# Altium PCB Gatorsynth_Sequencer.PcbDoc (part 2 of 2)
Units mm, origin at the board's own origin, x right, y up, seen from the top; angles counter-clockwise.
Board outline 320 x 113.4 mm, 2 copper layers (Top Layer, Bottom Layer); 109 components, 280 nets, 485 pads, 478 vias.
Unrouted connection lines stored in the file: 2.
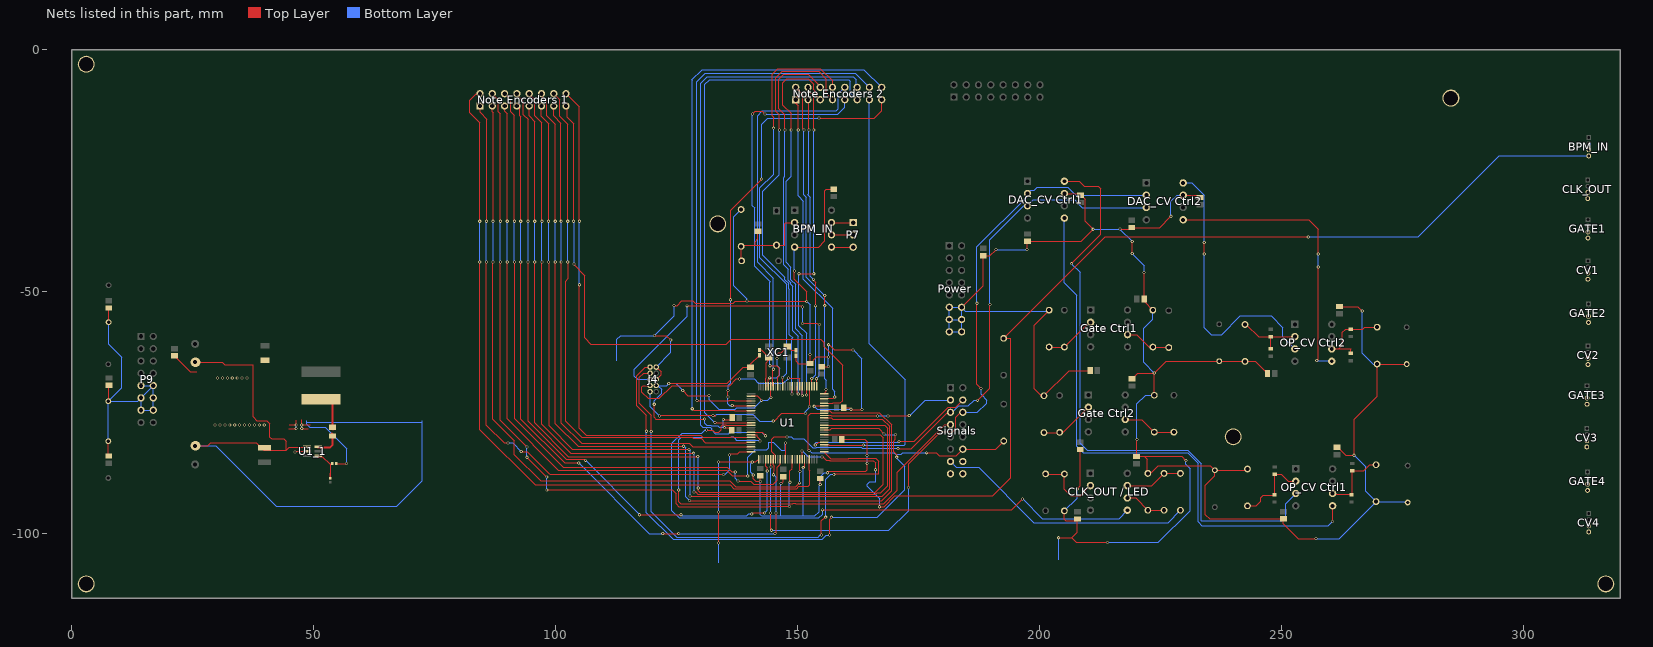
[diagram p2: the nets of this part, all layers, seen from the top]

## Via types
v1: diameter 0.64, hole 0.381, Top Layer to Bottom Layer, 474 vias
v2: diameter 2.032/2.032 (per signal layer), hole 0.381, Top Layer to Bottom Layer, 4 vias

## Nets (pads, with @x,y where several pads share a name; then routed paths per layer and width w, separated by ;. In a path a pad name is that pad's centre, name@x,y a point inside that pad or via, vN(x,y) a via of type N, cw(c..) or ccw(c..) an arc to the next point about the centre after c; other vN are vias at no path point) (continued)
GND: "DAC_CV Ctrl1.7" "DAC_CV Ctrl2.7" BPM_IN.3@313.475,-20.69 BPM_IN.4@149.384,-40.792 C1.1@197.5,-39.6 C1.1@208.425,-82.625 C1.1@210.45,-66.3 C1.1@219.05,-36.75 C1.2@157.475,-28.85 C1_PWR.1 C2.1@207.825,-96.975 C2.2@208.45,-30.075 C2.2@219.075,-68 C2.2@221.6,-51.5 C2.2@233.125,-30.55 C2_PWR.1 C3.2 C3_PWR.1 C4.1@142.15,-63.15 C4.2@261.45,-82.175 C4.2@261.95,-53.075 C5.1 C6.1 C7.1 C7_PWR.1 C8.1 C8_PWR.1 C9.1 C10.1 C11.1 C12.1 C13.1 C14.1 C24.2 C25.2 C_5V.2 C_12V.2 C_-12V.1 Cin.2 CLK_OUT.3 CLK_OUT.4 Cout.2 CV1.3 CV1.4 CV2.3 CV2.4 CV3.3 CV3.4 CV4.3 CV4.4 GATE1.3 GATE1.4 GATE2.3 GATE2.4 GATE3.3 GATE3.4 GATE4.3 GATE4.4 GND1.1 GND.1 J4.3 J4.5 J4.9 P9.9 P9.10 P9.11 P9.12 P9.13 P9.14 pad.2 pad.3 pad.4 pad.5 pad.8 Power.11 Power.12 Power.13 Power.14 Power.15 Power.16 R13.2 R16.2 R20.1 R22.2 R24.1 R28.1 R30.1 Rfbb.2 U1.2 U1.26 U1.45 U1.70 U1.95 U1_1.1 | length 1051.7
  Top Layer w0.254: C_-12V.1@7.575,-80.89 7.575,-83.85 C3_PWR.1@7.675,-83.95 ; C_5V.2@7.625,-56.31 7.675,-56.26 C1_PWR.1@7.675,-53.375 ; C8_PWR.1@7.7,-69.35 7.7,-72.51 C_12V.2@7.575,-72.635 C_12V.2@8.065,-72.635 ; C7_PWR.1@21.225,-63.275 24.525,-66.575 25.85,-66.575 ; v2(25.562,-81.842) 28.102,-81.842 28.737,-81.207 38.135,-81.207 39.684,-82.782 44.358,-82.782 ; v2(25.562,-64.57) 31.15,-64.57 31.607,-65.053 37.5,-65.053 37.5,-75.873 38.262,-76.635 40.294,-76.635 40.929,-77.27 40.929,-80.064 41.31,-80.445 43.85,-80.445 44.358,-80.953 44.358,-82.782 ; U1_1.1@48.524,-82.172 44.968,-82.172 44.358,-82.782 ; Rfbb.2@54.62,-85.55 55.813,-85.55 ; Rfbb.2@54.645,-85.525 v1(56.804,-85.525) ; v1(120.375,-73.275) 120.375,-75.975 120.723,-76.323 126.423,-76.323 126.425,-76.325 v1(130.8,-76.325) ; v1(120.425,-59.075) 122.9,-59.075 v1(123.8,-59.975) ; J4.3@120.785,-69.395 J4.5@120.785,-68.125 121.775,-67.135 121.775,-66.575 J4.9@120.785,-65.585 ; v1(123.375,-68.975) 135.475,-68.975 138.8,-65.65 C9.1@140.25,-65.65 140.25,-65.05 C4.1@142.15,-63.15 ; v1(124.475,-52.875) 125.125,-52.875 126.075,-51.925 128.375,-51.925 128.85,-52.4 136.675,-52.4 137.075,-52 v1(151.875,-52) 151.875,-49.975 149.325,-47.425 v1(149.325,-45.725) ; v1(126.275,-70.4) 127.35,-71.475 v1(131.725,-71.475) ; v1(133.675,-101.95) v1(133.675,-95.55) ; v1(133.675,-85.175) v1(140.625,-85.175) 141.375,-85.175 141.925,-84.625 U1.26@141.925,-84.6 ; v1(134.65,-76.425) 136.075,-76.425 C10.1@136.475,-76.025 ; v1(134.874,-78.105) 135.655,-78.105 C11.1@136.4,-78.85 ; U1.2@140.375,-71.55 141.65,-71.55 v1(142.55,-72.45) ; v1(140.825,-87.85) 140.825,-88.675 141.35,-89.2 v1(142.3,-89.2) C6.1@142.3,-88.025 ; U1.95@144.425,-69.5 144.425,-71.756 v1(144.501,-71.831) ; v1(146.55,-89.625) 147.025,-89.275 C14.1@147.025,-88.225 ; BPM_IN.4@149.384,-40.792 154.358,-40.792 155.625,-39.525 155.625,-29.1 155.875,-28.85 C1.2@157.475,-28.85 ; C3.2@149.675,-63.225 149.675,-64.375 150.15,-64.85 C8.1@152.575,-64.85 ; v1(151.175,-86.375) 151.425,-86.125 U1.45@151.425,-84.625 ; v1(152.575,-62.975) C8.1@152.575,-64.85 ; v1(153.425,-73.675) v1@153.454,-73.646 ; v1@153.525,-73.575 U1.70@155.475,-73.575 ; v1(154.675,-89.875) C5.1@154.675,-88.6 ; C12.1@155,-65.5 156.3,-65.5 v1(156.35,-65.45) ; v1(156.175,-87.425) 156.452,-87.148 164.077,-87.148 164.375,-86.85 v1(164.375,-85.525) ; v1(156.35,-63.475) 153.95,-63.475 C8.1@152.575,-64.85 ; v1(156.425,-60.975) 156.5,-60.975 157.575,-62.05 v1(161.45,-62.05) ; C13.1@159.15,-80.525 163.9,-80.525 164.375,-81 164.363,-81.012 v1(164.363,-83.871) ; C7.1@159.55,-73.975 160.675,-73.975 v1(161,-74.3) 161.075,-74.375 v1@163.3,-74.375 ; Power.12@183.89,-53.225 188.375,-48.74 C2_PWR.1@188.375,-42.55 189.75,-42.55 v1(191,-41.3) ; v1(197.375,-41.3) 197.5,-41.175 C1.1@197.5,-39.6 208.575,-39.6 v1(211.075,-37.1) 209.427,-35.452 209.427,-30.91 208.592,-30.075 C2.2@208.45,-30.075 208.095,-29.72 205.125,-29.72 ; R20.1@201.975,-53.828 198.875,-56.928 198.875,-70.05 200.33,-71.505 R20.1@200.904,-71.505 206.109,-66.3 C1.1@210.45,-66.3 ; v1(203.95,-100.85) 206.65,-100.85 ; R28.1@205.125,-95.298 205.125,-97.05 205.375,-97.3 207.5,-97.3 C2.1@207.825,-96.975 207.825,-99.675 206.65,-100.85 ; v1(207.775,-90.75) 208.425,-90.1 C1.1@208.425,-82.625 ; v1(214.025,-101.825) 207.625,-101.825 206.65,-100.85 ; v1(216.6,-37.075) 218.725,-37.075 C1.1@219.05,-36.75 224.825,-36.75 v1(227.15,-34.425) ; C2.2@219.075,-68 220.246,-66.829 v1(223.704,-66.829) ; v1(219.15,-42.15) v1(219.15,-39.625) ; v1(220.125,-80.575) 220.125,-83.975 C3.2@220.05,-84.05 221.675,-84.05 ; v1(221.6,-46.075) C2.2@221.6,-51.5 221.6,-52.028 R22.2@223.4,-53.828 ; R22.2@223.704,-71.405 v1(223.704,-66.829) ; 229.675,-30.07 232.645,-30.07 C2.2@233.125,-30.55 ; v1(230.225,-84.925) 229.35,-84.05 221.675,-84.05 ; R13.2@242.4,-64.36 C24.2@237.125,-64.36 226.173,-64.36 v1(223.704,-66.829) ; R13.2@242.45,-64.41 244.585,-64.41 C3.2@247.1,-66.925 ; R13.2@242.95,-86.64 242.7,-86.89 C24.2@236.225,-86.89 ; v1(257.1,-101.025) 253.425,-101.025 250.375,-97.975 C3.2@250.375,-96.95 235.125,-96.95 234.25,-96.075 234.25,-90.05 236.225,-88.075 C24.2@236.225,-86.89 ; C4.2@261.45,-82.175 261.592,-82.175 263.217,-83.8 v1(264.975,-83.8) 264.975,-76.375 269.75,-71.6 R16.2@269.75,-64.96 C25.2@275.85,-64.96 ; C4.2@261.95,-53.075 265.75,-53.075 v1(266.675,-54) ; C25.2@275.875,-93.385 C25.2@276.05,-93.56 ; BPM_IN.3@313.475,-20.69 BPM_IN.3@313.62,-20.545 ; 221.675,-84.05 222.225,-84.6 222.225,-87.403 R30.1@222.375,-87.553 222.947,-87.553 224.55,-85.95 235.285,-85.95 C24.2@236.225,-86.89
  Bottom Layer w0.254: C_-12V.1@7.575,-80.89 C_12V.2@7.575,-72.635 ; C_5V.2@7.625,-56.31 7.625,-60.85 10.35,-63.575 10.35,-69.86 C_12V.2@7.575,-72.635 ; P9.9@14.325,-69.8 P9.9@14.715,-69.41 ; P9.9@14.325,-69.41 P9.9@14.715,-69.41 ; v2(25.562,-81.842) 29.778,-81.842 42.275,-94.339 67.167,-94.339 72.425,-89.081 72.425,-77.016 ; 48.549,-76.686 48.549,-77.016 ; v1(56.804,-85.525) 56.804,-82.477 52.359,-78.032 49.184,-78.032 48.549,-77.397 48.549,-77.016 ; 72.425,-76.686 72.425,-77.016 ; 112.625,-64.225 112.625,-59.875 113.425,-59.075 v1(120.425,-59.075) 124.475,-55.025 v1(124.475,-52.875) ; v1(120.375,-73.275) 120.375,-72.5 121.9,-70.975 121.9,-70.2 121.095,-69.395 J4.3@120.785,-69.395 122.955,-69.395 v1(123.375,-68.975) 124.85,-68.975 v1(126.275,-70.4) ; J4.9@120.785,-65.585 123.8,-62.57 v1(123.8,-59.975) ; v1(130.8,-76.325) 130.8,-77.175 131.219,-77.594 132.071,-77.594 132.202,-77.725 133.55,-77.725 133.796,-77.971 v1@134.65,-77.971 ; v1(131.725,-71.475) 131.725,-72.35 133.675,-74.3 137.1,-74.3 137.425,-73.975 141.025,-73.975 v1(142.55,-72.45) 143.882,-72.45 v1(144.501,-71.831) ; 133.675,-105.975 v1(133.675,-101.95) ; v1(133.675,-95.55) v1(133.675,-85.175) ; v1(134.65,-76.425) v1@134.65,-77.971 ; v1(134.874,-78.105) 134.905,-78.105 134.771,-77.971 v1@134.65,-77.971 ; R24.1@138.329,-33.017 136.825,-34.521 136.825,-48.775 139.525,-51.475 v1(139.525,-51.95) ; v1(140.625,-85.175) 140.273,-85.527 140.273,-87.298 v1(140.825,-87.85) v1@140.85,-87.85 ; v1(142.3,-89.2) 142.3,-96.1 142.552,-96.352 153.573,-96.352 154.425,-95.5 154.425,-90.125 v1(154.675,-89.875) 154.675,-88.275 155.525,-87.425 v1(156.175,-87.425) ; 146.55,-96.3 v1(146.55,-89.625) ; v1(149.325,-45.725) 149.325,-40.851 BPM_IN.4@149.384,-40.792 ; 151.175,-96.277 v1(151.175,-86.375) ; v1(151.875,-52) 152.575,-52.7 v1(152.575,-62.975) ; v1(153.425,-73.675) 154.05,-74.3 v1(161,-74.3) ; v1(156.35,-65.45) v1(156.35,-63.475) ; v1@156.425,-63.4 v1(156.425,-60.975) ; v1(161.45,-62.05) 163.3,-63.9 v1(163.3,-74.35) ; v1(164.363,-83.871) 164.363,-85.513 v1(164.375,-85.525) ; v1(191,-41.3) v1(197.375,-41.3) ; R20.1@201.975,-53.828 201.803,-54 184.665,-54 Power.12@183.89,-53.225 ; 203.95,-105.425 v1(203.95,-100.85) ; R28.1@205.125,-95.298 207.775,-92.648 v1(207.775,-90.75) ; v1(211.075,-37.1) 216.575,-37.1 v1(216.6,-37.075) v1(219.15,-39.625) ; v1(214.025,-101.825) 224.5,-101.825 231.1,-95.225 231.1,-86.55 230.225,-85.675 v1(230.225,-84.925) ; v1(219.15,-42.15) 221.6,-44.6 v1(221.6,-46.075) ; v1(220.125,-80.575) 220.125,-73.2 221.92,-71.405 R22.2@223.704,-71.405 ; R22.2@223.4,-53.828 223.4,-55.675 221.5,-57.575 221.5,-64.625 v1(223.704,-66.829) ; v1(227.15,-34.425) 227.15,-31.325 228.405,-30.07 229.675,-30.07 ; v1(257.1,-101.025) 261.885,-101.025 R16.2@269.525,-93.385 ; v1(264.975,-83.8) 267.4,-86.225 267.4,-91.26 R16.2@269.525,-93.385 ; v1(266.675,-54) 266.675,-62.675 268.96,-64.96 R16.2@269.75,-64.96 ; C25.2@276.05,-93.56 275.875,-93.385 R16.2@269.525,-93.385 ; C_12V.2@7.575,-72.635 13.64,-72.635 P9.11@14.325,-71.95 ; P9.11@14.325,-71.95 P9.13@14.325,-74.49 P9.14@16.865,-74.49 P9.12@16.865,-71.95 P9.10@16.865,-69.41 ; P9.11@14.325,-71.95 P9.10@16.865,-69.41 ; P9.9@14.715,-69.41 P9.10@16.865,-69.41 ; 48.549,-77.016 72.425,-77.016 ; Power.13@181.35,-55.765 Power.14@183.89,-55.765 ; Power.13@181.35,-55.765 Power.11@181.35,-53.225 Power.12@183.89,-53.225 ; Power.13@181.35,-55.765 Power.15@181.35,-58.305 Power.16@183.89,-58.305 Power.14@183.89,-55.765 ; Power.14@183.89,-55.765 Power.12@183.89,-53.225
  other v1: 29.626,-77.524 30.642,-77.524 31.658,-77.524 32.674,-77.524 33.69,-77.524 34.706,-77.524 35.722,-77.524 36.738,-77.524 37.754,-77.524 38.77,-77.524 39.786,-77.524 30.134,-67.872 31.15,-67.872 32.166,-67.872 33.182,-67.872 34.198,-67.872 35.214,-67.872 36.23,-67.872
GRN1: 
GRN2: 
GRN3: 
GRN4: 
GRN5: 
GRN6: 
GRN7: 
GRN8: 
GRN9: 
GRN10: 
GRN11: 
GRN12: 
GRN13: 
GRN14: 
GRN15: 
GRN16: 
JACK_INT: BPM_IN.4@313.475,-21.96 R31.1 U1.44 | length 225.9
  Top Layer w0.254: U1.44@150.925,-84.6 v1(150.925,-82.9) ; v1(155.075,-84.15) 155.15,-84.15 155.872,-84.872 156.625,-84.872 156.651,-84.897 165.653,-84.897 166.116,-85.36 v1(166.116,-86.792) ; v1(166.95,-94.45) 167.875,-94.45 170.125,-92.2 179.975,-92.2 ; 180,-92.175 190.325,-92.175 194.09,-88.41 194.09,-59.64 R31.1@192.575,-59.64 213.54,-38.675 v1(255.525,-38.675)
  Bottom Layer w0.254: v1(150.925,-82.9) 152.175,-84.15 v1(155.075,-84.15) ; v1(166.116,-86.792) 166.116,-89.266 166.175,-89.325 164.925,-89.325 164.425,-89.825 164.425,-90.229 164.585,-90.39 165.223,-91.027 166.95,-92.754 v1(166.95,-94.45) ; v1(255.525,-38.675) 278.25,-38.675 294.965,-21.96 BPM_IN.4@313.475,-21.96
MOSI: "DAC_CV Ctrl1.3" "DAC_CV Ctrl2.3" Signals.5 U1.33 | length 122.9
  Top Layer w0.254: U1.33@145.425,-84.625 145.425,-83.771 144.7,-83.046 144.7,-80.475 145.175,-80 v1(147.8,-80) ; v1(170.764,-82.448) 173.477,-82.448 180.995,-74.93 Signals.5@181.6,-74.93 ; v1(187.2,-72.45) 189.725,-69.925 v1(189.725,-52.65)
  Bottom Layer w0.254: v1(147.8,-80) 148.65,-80 149.05,-80.4 151.291,-80.4 153.168,-82.277 153.904,-82.277 154.006,-82.175 157.842,-82.175 157.884,-82.133 158.379,-82.133 158.421,-82.175 163.195,-82.175 163.329,-82.309 v1@170.676,-82.309 ; Signals.5@181.6,-74.93 181.945,-74.93 183.25,-73.625 185.275,-73.625 186.45,-72.45 v1(187.2,-72.45) ; v1(189.725,-52.65) 189.725,-39.225 196.69,-32.26 197.505,-32.26 198.715,-31.05 207.25,-31.05 208.81,-32.61 222.055,-32.61
NE_L0: "Note Encoders 1.1" U1.25 | length 129.2
  Top Layer w0.254: 84.375,-11.625 84.375,-12.95 85.75,-14.325 v1@85.75,-35.45 ; v1(85.7,-43.875) 85.7,-77.575 89.375,-81.25 v1(90.175,-81.25) ; v1(92.9,-83.05) 94.125,-83.05 98.7,-87.625 98.725,-87.6 98.9,-87.775 v1(134.675,-87.775) ; v1(135.95,-83.725) 136.219,-83.456 137.639,-83.456 138.019,-83.075 U1.25@140.375,-83.075
  Bottom Layer w0.254: v1(85.7,-43.875) v1(85.7,-35.45) ; v1(90.175,-81.25) 91.1,-81.25 v1(92.9,-83.05) ; v1(134.675,-87.775) 135.025,-87.775 135.95,-86.85 v1(135.95,-83.725)
NE_L1: "Note Encoders 1.3" U1.43 | length 140.9
  Top Layer w0.254: 86.915,-11.625 86.915,-12.84 87.15,-13.075 v1@87.15,-35.45 ; v1@87,-43.875 87,-76.35 91.477,-80.827 91.477,-83.677 96.9,-89.1 136.025,-89.1 137.202,-90.277 149.648,-90.277 v1(150.425,-89.5) ; v1@150.425,-87.15 U1.43@150.425,-84.625
  Bottom Layer w0.254: v1(87.075,-43.875) v1(87.075,-35.45) ; v1(150.425,-89.5) 150.475,-89.45 v1(150.475,-87.15)
NE_L2: "Note Encoders 1.5" U1.37 | length 138.8
  Top Layer w0.254: 89.455,-11.625 89.455,-12.68 90,-13.225 v1(90,-35.45) ; v1(90,-43.875) 90,-76.3 100.575,-86.875 135.325,-86.875 136.475,-88.025 139.625,-88.025 v1(139.7,-88.1) ; U1.37@147.425,-84.625 147.425,-83.771 147.477,-83.823 147.498,-83.802 147.498,-83.698 147.523,-83.673 v1(147.523,-81.305)
  Bottom Layer w0.254: v1(90,-43.875) v1(90,-35.45) ; v1(139.7,-88.1) 139.7,-84.225 141.25,-82.675 143.65,-82.675 144.025,-82.3 144.025,-81.075 144.95,-81.075 146.602,-82.727 147.498,-82.727 147.498,-81.323 147.516,-81.305 v1(147.523,-81.305)
NE_L3: "Note Encoders 1.7" U1.32 | length 143.2
  Top Layer w0.254: 91.995,-11.625 92.625,-12.255 92.625,-13.65 92.8,-13.825 v1(92.8,-35.45) ; v1@92.825,-43.875 92.825,-76.35 101.875,-85.4 v1(104.775,-85.4) ; v1(122.125,-99.975) v1(125.425,-99.975) ; U1.32@144.925,-84.6 144.925,-85.725 145.225,-86.025 145.225,-87.15 145.05,-87.325 v1(145.05,-87.825) ; v1(145.3,-99.975) 145.55,-99.725 v1(145.55,-95.725)
  Bottom Layer w0.254: v1(92.8,-43.875) v1(92.8,-35.45) ; v1(104.775,-85.4) 119.35,-99.975 v1(122.125,-99.975) ; v1(125.425,-99.975) v1(145.3,-99.975) ; v1(145.05,-87.825) 145.55,-88.325 v1(145.55,-95.725)
NE_L4: "Note Encoders 1.9" U1.58 | length 170.8
  Top Layer w0.254: 94.535,-11.625 94.535,-13.685 95.725,-14.875 v1@95.725,-35.45 ; v1@95.65,-43.875 95.65,-77.1 102.625,-84.075 v1(129.375,-84.075) ; v1(129.464,-90.602) 129.464,-91.139 129.775,-91.45 166.025,-91.45 167.675,-89.8 167.675,-80.15 167.05,-79.525 ; U1.58@155.475,-79.575 155.475,-79.548 167.027,-79.548
  Bottom Layer w0.254: v1(95.675,-43.875) v1(95.675,-35.45) ; v1(129.375,-84.075) 129.464,-84.164 v1(129.464,-90.602)
NE_L5: "Note Encoders 1.11" U1.65 | length 176.4
  Top Layer w0.254: 97.075,-11.625 97.075,-13.75 98.6,-15.275 98.6,-16.075 v1@98.6,-35.45 ; v1@98.65,-43.875 98.65,-77.75 103.475,-82.575 v1(127.525,-82.575) ; v1(127.775,-92.25) 127.783,-92.258 167.517,-92.258 169.004,-90.771 169.004,-77.854 167.5,-76.35 157.275,-76.35 157,-76.075 U1.65@155.475,-76.075
  Bottom Layer w0.254: v1(98.55,-43.875) v1(98.55,-35.45) ; v1(127.525,-82.575) 127.775,-82.825 v1(127.775,-92.25)
NE_L6: "Note Encoders 1.13" U1.23 | length 107.3
  Top Layer w0.254: 99.615,-11.625 99.615,-13.69 101.1,-15.175 v1@101.1,-35.45 ; v1@101.2,-43.875 101.2,-77.15 105.406,-81.356 126.175,-81.356 126.178,-81.353 127.653,-81.353 128.3,-82 ; 128.373,-82.073 128.418,-82.028 137.872,-82.028 137.917,-82.073 140.375,-82.073 U1.23@140.375,-82.075
  Bottom Layer w0.254: v1(101.15,-43.875) v1(101.15,-35.45)
NE_L7: "Note Encoders 1.15" U1.71 | length 117.7
  Top Layer w0.254: 102.155,-11.625 102.4,-11.87 102.4,-13.975 103.725,-15.3 v1(103.725,-35.45) ; v1@103.7,-44.375 106.025,-46.7 106.025,-59.575 107.275,-60.825 135.25,-60.825 136.25,-59.825 154.775,-59.825 155.55,-60.6 155.55,-61.425 159.325,-65.2 159.325,-72.525 158.852,-72.998 157.385,-72.998 157.308,-73.075 U1.71@155.475,-73.075
  Bottom Layer w0.254: v1@103.804,-35.45 103.804,-44.129 v1@103.85,-44.175
  other v1: 103.8,-44.275
NE_L8: "Note Encoders 2.1" U1.73 | length 67.1
  Top Layer w0.254: 149.6,-10.325 149.6,-11.025 150.125,-11.55 v1(150.125,-16.573) ; U1.73@155.475,-72.075 157.4,-72.075 v1(157.675,-71.8)
  Bottom Layer w0.254: v1(150.125,-16.573) 150.125,-30.225 151.175,-31.275 151.175,-47.4 157.226,-53.451 157.226,-70.207 157.675,-70.656 v1(157.675,-71.8)
NE_L9: "Note Encoders 2.3" U1.78 | length 60.4
  Top Layer w0.254: 152.14,-10.325 152.35,-10.535 v1(152.35,-16.573) ; U1.78@152.925,-69.5 v1(152.925,-67.975) ; v1(153.25,-47.45) 153.25,-47.65 153.7,-48.1 v1(153.7,-52.925)
  Bottom Layer w0.254: v1(152.35,-16.573) 152.35,-29.725 152.1,-29.975 152.6,-30.475 152.6,-46.8 v1(153.25,-47.45) v1@153.325,-47.45 ; v1(152.925,-67.975) 153.7,-67.2 v1(153.7,-52.925)
NE_L10: "Note Encoders 2.5" U1.82 | length 79.7
  Top Layer w0.254: v1(148.675,-16.573) 148.675,-13.15 146.975,-11.45 146.975,-6.8 147.75,-6.025 152.225,-6.025 153.375,-7.175 153.375,-8.25 154,-8.875 154,-9.645 154.68,-10.325 ; v1@150.925,-71.375 U1.82@150.925,-69.525
  Bottom Layer w0.254: v1@148.675,-16.775 148.675,-26.125 147.625,-27.175 147.625,-43.925 148.625,-44.925 148.625,-47.525 149.575,-48.475 149.575,-57.65 151.002,-59.077 151.002,-70.898 150.975,-70.925 v1(150.975,-71.425)
NE_L11: "Note Encoders 2.7" U1.86 | length 87.7
  Top Layer w0.254: v1(146.25,-16.573) 146.25,-13.45 145.5,-12.7 145.5,-5.85 146.85,-4.5 154.325,-4.5 155.925,-6.1 155.925,-9.03 157.22,-10.325 ; v1(148.807,-71.122) 148.925,-71.004 U1.86@148.925,-69.525
  Bottom Layer w0.254: v1(146.25,-16.573) 146.25,-25.875 142.825,-29.3 142.825,-42.425 147.375,-46.975 147.375,-47.554 148.129,-48.308 148.129,-49.379 148.275,-49.525 148.275,-58.875 148.962,-59.563 148.807,-59.718 v1(148.807,-71.122)
NE_L12: "Note Encoders 2.9" U1.92 | length 81.3
  Top Layer w0.254: v1(140.65,-13.3) 141.2,-12.75 142.7,-12.75 v1(143.25,-13.3) ; v1(144.275,-65.3) 145.675,-65.3 146.25,-65.875 146.25,-67.35 145.925,-67.675 U1.92@145.925,-69.525
  Bottom Layer w0.254: v1(140.65,-13.3) 140.65,-32.225 141.125,-32.7 141.125,-44.75 144.375,-48 144.275,-48.1 v1(144.275,-65.3) ; v1(143.25,-13.3) 158.325,-13.3 159.76,-11.865 159.76,-10.325
NE_L13: "Note Encoders 2.11" U1.13 | length 113.2
  Top Layer w0.254: v1@132.925,-77.075 U1.13@140.375,-77.075
  Bottom Layer w0.254: v1(132.9,-77.05) 130.825,-74.975 130.825,-7.15 131.8,-6.175 160.525,-6.175 160.85,-6.5 160.9,-6.5 160.9,-8.925 162.3,-10.325
NE_L14: "Note Encoders 2.13" U1.54 | length 91.2
  Top Layer w0.254: U1.54@155.55,-81.575 155.623,-81.648 156.402,-81.648 156.466,-81.712 v1(163.576,-81.712)
  Bottom Layer w0.254: v1(163.576,-81.712) 171.247,-81.712 ; 164.84,-10.325 164.84,-60.79 172.25,-68.2 172.25,-81.525 172.063,-81.712 171.177,-81.712
NE_L15: "Note Encoders 2.15" U1.6 | length 93.9
  Top Layer w0.254: v1(135.6,-71.775) 135.6,-70.45 v1(135.65,-70.4) ; v1(136.15,-51.675) 136.15,-33.15 v1(142.575,-26.725) ; v1(136.5,-73.533) 136.542,-73.575 U1.6@140.375,-73.575 ; v1(154.45,-14.125) 165.875,-14.125 167.38,-12.62 167.38,-10.325
  Bottom Layer w0.254: v1(135.6,-71.775) 135.6,-73.2 135.933,-73.533 v1(136.5,-73.533) ; v1(135.65,-70.4) 135.65,-69.375 136.175,-68.85 136.175,-51.7 v1(136.15,-51.675) ; v1(142.575,-26.725) 142.575,-15.4 143.85,-14.125 v1(154.45,-14.125)
NE_R0: "Note Encoders 1.2" U1.47 | length 150.5
  Top Layer w0.254: v1(84.325,-43.875) 84.325,-78.525 95.75,-89.95 136.075,-89.95 136.806,-90.681 149.815,-90.681 150.271,-90.225 152.175,-90.225 152.514,-89.886 152.514,-86.989 152.425,-86.899 U1.47@152.425,-84.6 ; v1@84.35,-35.45 84.35,-15.05 82.3,-13 82.3,-10.4 83.615,-9.085 84.375,-9.085
  Bottom Layer w0.254: v1(84.325,-43.875) v1(84.325,-35.45)
NE_R1: "Note Encoders 1.4" U1.40 | length 149.5
  Top Layer w0.254: 86.915,-9.085 88.125,-10.295 88.125,-12.775 88.6,-13.25 v1@88.6,-35.45 ; v1@88.675,-43.875 88.525,-44.025 88.525,-76.525 v1(94.075,-82.075) ; v1(94.075,-84.225) v1(98.175,-88.325) ; v1(98.175,-90.975) 124.075,-90.975 124.875,-91.775 124.875,-93.875 125.425,-94.425 144.094,-94.425 144.146,-94.373 148.273,-94.373 v1(148.325,-94.425) ; v1(148.4,-89.375) 148.4,-87.05 148.852,-86.598 ; 148.925,-86.525 U1.40@148.925,-84.625
  Bottom Layer w0.254: v1(88.575,-43.875) v1(88.575,-35.45) ; v1(94.075,-84.225) v1(94.075,-82.075) ; v1(98.175,-90.975) v1(98.175,-88.325) ; v1(148.325,-94.425) 148.325,-89.45 v1(148.4,-89.375) v1@148.4,-89.475
NE_R2: "Note Encoders 1.6" U1.35 | length 133.7
  Top Layer w0.254: 89.455,-9.085 90.725,-10.355 90.725,-12.8 91.5,-13.575 v1@91.5,-35.45 ; v1@91.525,-43.875 91.525,-76.25 101.6,-86.325 135.45,-86.325 136.375,-87.25 v1(137.125,-87.25) ; v1(137.675,-89.125) 140.289,-89.125 ; 140.289,-89.161 140.95,-89.821 144.95,-89.821 145.825,-88.946 145.825,-86.25 146.425,-85.65 U1.35@146.425,-84.6
  Bottom Layer w0.254: v1(91.475,-43.875) v1(91.475,-35.45) ; v1(137.125,-87.25) 137.125,-88.575 v1(137.675,-89.125)
NE_R3: "Note Encoders 1.8" U1.29 | length 137.5
  Top Layer w0.254: 91.995,-9.085 91.995,-9.32 93.35,-10.675 93.35,-13.425 94.3,-14.375 v1(94.3,-35.45) ; v1@94.2,-43.875 94.35,-44.025 94.35,-76.75 102.225,-84.625 105.952,-84.625 v1(106.175,-84.848) ; v1(117.3,-96.102) v1(125.923,-96.102) ; v1(140.525,-95.925) 140.8,-95.65 v1@143.2,-95.65 ; U1.29@143.4,-84.625 U1.29@143.425,-84.6 ; U1.29@143.425,-84.625 143.425,-86.1 143.725,-86.4 v1(143.725,-87.05)
  Bottom Layer w0.254: v1(94.3,-43.875) v1(94.3,-35.45) ; v1(106.175,-84.848) 117.3,-95.973 v1(117.3,-96.102) ; v1(125.923,-96.102) 126.146,-96.325 139.475,-96.325 139.875,-95.925 v1(140.525,-95.925) ; v1(143.2,-95.725) 143.725,-95.2 v1(143.725,-87.05)
NE_R4: "Note Encoders 1.10" U1.62 | length 177.5
  Top Layer w0.254: 94.535,-9.085 94.535,-9.235 95.65,-10.35 95.65,-13.6 97.175,-15.125 v1(97.175,-35.45) ; v1@97.1,-43.875 97.1,-77.375 103.1,-83.375 v1(128.525,-83.375) ; v1(128.626,-91.389) 128.934,-91.389 129.398,-91.854 166.192,-91.854 166.444,-91.602 167.148,-91.602 168.6,-90.15 168.6,-78.2 168.023,-77.623 ; U1.62@155.475,-77.575 167.975,-77.575
  Bottom Layer w0.254: v1(97.175,-43.875) v1(97.175,-35.45) ; v1(128.525,-83.375) 128.5,-83.4 128.626,-83.526 v1(128.626,-91.389)
NE_R5: "Note Encoders 1.12" U1.68 | length 181
  Top Layer w0.254: 97.075,-9.085 97.075,-9.575 98.175,-10.675 98.175,-13.675 99.925,-15.425 v1(99.925,-35.45) ; v1@99.929,-43.875 99.929,-77.254 104.625,-81.95 v1(126.425,-81.95) ; v1(127.65,-93.15) 127.7,-93.2 167.35,-93.2 169.425,-91.125 169.425,-77.55 166.907,-75.032 157.007,-75.032 156.525,-74.55 ; U1.68@155.475,-74.575 156.5,-74.575
  Bottom Layer w0.254: v1(99.925,-43.875) v1(99.925,-35.45) ; v1(126.425,-81.95) 126.575,-81.95 126.873,-82.248 126.873,-92.373 v1(127.65,-93.15)
NE_R6: "Note Encoders 1.14" U1.21 | length 109.3
  Top Layer w0.254: 99.615,-9.085 100.825,-10.295 100.825,-13.725 102.5,-15.4 v1(102.5,-35.45) ; v1@102.625,-43.875 102.625,-47.275 102.075,-47.825 102.075,-76.75 105.4,-80.075 128.2,-80.075 128.425,-80.3 130.05,-80.3 130.924,-81.174 139.422,-81.174 139.448,-81.148 140.277,-81.148 U1.21@140.35,-81.075 ; U1.21@140.375,-81.075 U1.21@140.35,-81.075 ; U1.21@140.375,-81.05 U1.21@140.35,-81.075
  Bottom Layer w0.254: v1(102.5,-43.875) v1(102.5,-35.45)
NE_R7: "Note Encoders 1.16" U1.19 | length 106.6
  Top Layer w0.254: 102.155,-9.085 104.875,-11.805 v1@104.875,-35.45 ; v1@104.875,-48.575 104.875,-78.225 106.3,-79.65 130.025,-79.65 130.425,-80.05 ; 130.445,-80.07 136.154,-80.07 136.252,-79.972 136.747,-79.972 136.845,-80.07 140.375,-80.07 U1.19@140.375,-80.075
  Bottom Layer w0.254: v1(104.925,-48.575) v1@104.925,-35.45
  other v1: 104.9,-35.45
NE_R8: "Note Encoders 2.2" U1.75 | length 66.1
  Top Layer w0.254: 149.6,-7.785 151.113,-9.298 151.113,-16.386 v1(151.3,-16.573) ; U1.75@155.475,-71.05 155.9,-70.625 v1(155.9,-70.25) ; v1(155.6,-52.9) v1(155.6,-50.825)
  Bottom Layer w0.254: v1(151.3,-16.573) 151.3,-29.95 151.275,-29.975 151.75,-30.45 151.75,-46.975 v1(155.6,-50.825) ; v1(155.6,-52.9) 155.6,-68.025 155.9,-68.325 v1(155.9,-70.25)
NE_R9: "Note Encoders 2.4" U1.80 | length 69.2
  Top Layer w0.254: v1(150.275,-46.3) v1(153.35,-46.3) ; v1@151.925,-71.3 U1.80@151.925,-69.525 ; 152.14,-8.331 153.35,-9.541 v1(153.35,-16.573) ; 152.14,-7.965 152.14,-7.785
  Bottom Layer w0.254: v1(150.275,-46.3) 150.275,-57 151.875,-58.6 v1(151.875,-71.35) ; v1(153.35,-46.3) v1(153.35,-16.573)
NE_R10: "Note Encoders 2.6" U1.84 | length 78.8
  Top Layer w0.254: v1(147.375,-16.573) 147.375,-13.45 147.387,-13.438 146.15,-12.2 146.15,-6.1 147.175,-5.075 152.225,-5.075 154.68,-7.53 154.68,-7.785 ; U1.84@149.925,-69.525 149.925,-70.95 v1(150.125,-71.15)
  Bottom Layer w0.254: v1@147.375,-16.65 147.375,-26.2 147.15,-26.425 147.15,-44.45 148.025,-45.325 148.025,-47.632 148.533,-48.14 148.533,-48.458 149,-48.925 149,-58.1 150.125,-59.225 v1(150.125,-71.15)
NE_R11: "Note Encoders 2.8" U1.90 | length 83.7
  Top Layer w0.254: v1@145.025,-16.225 145.075,-13.95 145.062,-13.963 144.75,-13.65 144.75,-5.05 145.85,-3.95 154.7,-3.95 157.22,-6.47 157.22,-7.785 ; U1.90@146.9,-69.475 v1(146.9,-67.725)
  Bottom Layer w0.254: v1@145.025,-16.225 145.025,-25.75 142.2,-28.575 142.2,-42.95 147.725,-48.475 147.725,-66.9 v1(146.9,-67.725)
  other v1: 145.025,-16.223
NE_R12: "Note Encoders 2.10" U1.94 | length 79.6
  Top Layer w0.254: U1.94@144.925,-69.5 144.898,-69.473 144.898,-66.127 v1(145,-66.025)
  Bottom Layer w0.254: v1(145,-66.025) 145,-47.2 141.725,-43.925 141.725,-13.625 142.7,-12.65 158,-12.65 158.45,-12.2 158.45,-9.095 159.76,-7.785
NE_R13: "Note Encoders 2.12" U1.17 | length 123.7
  Top Layer w0.254: U1.17@140.375,-79.075 142.65,-79.075 v1(143.35,-79.775)
  Bottom Layer w0.254: v1@143.275,-79.775 142.6,-79.1 136.105,-79.1 136.041,-79.164 135.918,-79.164 135.76,-79.321 133.002,-79.321 132.227,-78.546 132.227,-78.321 131.904,-77.998 130.448,-77.998 130.025,-77.575 130.025,-6.9 131.3,-5.625 161.475,-5.625 162.1,-6.25 162.1,-8 162.3,-8.2 162.3,-7.785
NE_R14: "Note Encoders 2.14" U1.4 | length 115.6
  Top Layer w0.254: v1(129.2,-72.5) 135.833,-72.5 135.915,-72.418 136.92,-72.418 137.002,-72.5 ; 137.002,-72.575 U1.4@140.375,-72.575 ; 139.45,-72.55 U1.4@140.375,-72.55
  Bottom Layer w0.254: v1(129.2,-72.5) 129.2,-6.6 130.9,-4.9 161.955,-4.9 164.84,-7.785
NE_R15: "Note Encoders 2.16" U1.8 | length 122
  Top Layer w0.254: v1(128.225,-74.2) 128.5,-74.475 136.026,-74.475 136.085,-74.534 136.914,-74.534 136.937,-74.512 136.975,-74.55 ; 137,-74.575 U1.8@140.375,-74.575
  Bottom Layer w0.254: v1(128.225,-74.2) 128.225,-6.375 128.1,-6.25 130.25,-4.1 163.695,-4.1 167.38,-7.785
NE_SW0: 
NE_SW1: 
NE_SW2: 
NE_SW3: 
NE_SW4: 
NE_SW5: 
NE_SW6: 
NE_SW7: 
NE_SW8: 
NE_SW9: 
NE_SW10: 
NE_SW11: 
NE_SW12: 
NE_SW13: 
NE_SW14: 
NE_SW15: 
NetC3_1: C3.1@149.675,-62.125 U1.96 XC1.1 | length 13.6
  Top Layer w0.254: U1.96@143.925,-69.5 143.925,-68.125 v1(144.25,-67.8) ; v1(145.775,-63.825) 145.775,-62.775 145.975,-62.575 146.6,-62.575 XC1.1@147.85,-61.325 148.65,-62.125 C3.1@149.675,-62.125
  Bottom Layer w0.254: v1(144.25,-67.8) 145.65,-67.8 146.3,-67.15 146.3,-65.85 145.775,-65.325 v1(145.775,-63.825)
NetC4_2: C4.2@142.15,-62.05 U1.97 XC1.3 | length 9.2
  Top Layer w0.254: C4.2@142.15,-62.05 142.475,-62.05 XC1.3@144.05,-63.625 144.05,-64.1 143.504,-64.646 143.504,-67.771 143.4,-67.875 143.4,-69.475 U1.97@143.425,-69.5 ; XC1.3@144.125,-63.65 XC1.3@144.125,-63.15
NetC26_2: BPM_IN.2@149.384,-35.712 C26.2 D1.1 R23.1 R24.2 | length 21.8
  Top Layer w0.254: R23.1@138.329,-43.625 R24.2@138.329,-40.637 138.566,-40.4 141.225,-40.4 ; C26.2@141.804,-37.527 141.804,-39.096 141.225,-39.675 141.225,-40.4 ; BPM_IN.2@149.384,-35.712 147.588,-35.712 147.375,-35.925 147.375,-40.4 D1.1@145.625,-40.4 141.225,-40.4
NetC27_1: Cbst.1 L1.1 U1_1.2 | length 24.1
  Top Layer w0.254: 44.886,-78.286 v1(46.39,-78.286) ; 45.001,-77.524 v1(46.39,-77.524) 46.39,-76.615 ; v1@46.288,-82.985 U1_1.2@48.625,-82.985 ; v1(47.533,-78.286) 48.864,-78.286 ; 47.533,-76.483 v1(47.533,-77.524) 49.299,-77.524 ; Cbst.1@53.832,-78.565 53.832,-77.016
  Top Layer w0.381: L1.1@49.057,-71.961 52.74,-71.961 53.858,-73.054 53.858,-78.388 Cbst.1@54.01,-78.54
  Bottom Layer w0.254: v1(46.39,-78.286) v1(46.39,-77.524) ; v1(47.533,-78.286) v1(47.533,-77.524)
  other v1: 46.161,-83.112
NetC27_2: Cbst.2 U1_1.6 | length 7.2
  Top Layer w0.254: 53.832,-80.851 Cbst.2@53.832,-79.302
  Top Layer w0.381: U1_1.6@50.86,-82.172 53.426,-82.172 53.858,-81.74 53.858,-79.937 53.858,-79.404 Cbst.2@53.756,-79.302
NetDRV1_1: 
NetDRV2_1: 
NetDRV3_1: 
NetDRV4_1: 
NetJ2_1: U1.87
NetJ4_2: J4.2 U1.79 | length 44.6
  Top Layer w0.254: v1(121.488,-75.667) 121.603,-75.552 133.073,-75.552 133.009,-75.616 v1(132.537,-75.616) ; v1(144.975,-76.75) 145.125,-76.75 146.7,-75.175 151.575,-75.175 v1(151.6,-75.2) ; U1.79@152.427,-69.502 152.472,-69.547 152.472,-73.715 v1(152.451,-73.736)
  Bottom Layer w0.254: J4.2@119.515,-70.665 119.515,-73.765 121.417,-75.667 v1(121.488,-75.667) ; v1(132.537,-75.616) 133.009,-75.616 133.304,-75.321 135.748,-75.321 135.777,-75.35 140.75,-75.35 142.15,-76.75 v1(144.975,-76.75) ; v1(151.6,-75.2) 151.6,-74.825 152.451,-73.974 v1(152.451,-73.736)
NetJ4_4: J4.4 U1.83 | length 40.5
  Top Layer w0.254: J4.4@119.949,-69.395 J4.4@119.515,-69.395 118.111,-69.395 117.84,-69.665 117.84,-70.775 119.115,-72.05 121.45,-72.05 124.105,-69.395 135.93,-69.395 137.3,-68.025 v1(138,-68.025) ; v1(148.125,-67.85) 150.325,-67.85 150.425,-67.95 U1.83@150.425,-69.5
  Bottom Layer w0.254: v1(138,-68.025) 141,-68.025 141.875,-68.9 147.075,-68.9 v1(148.125,-67.85)
NetJ4_6: J4.6 U1.76 | length 66.5
  Top Layer w0.254: v1(127.15,-52.925) 150.75,-52.925 v1(151.025,-53.2) ; v1(151.025,-56.55) 154,-56.55 154.325,-56.875 154.38,-56.82 v1(154.508,-56.82) ; U1.76@153.925,-69.5 v1(153.925,-68)
  Bottom Layer w0.254: J4.6@119.515,-68.125 116.925,-68.125 116.25,-67.45 116.25,-66 127.15,-55.1 v1(127.15,-52.925) ; v1(151.025,-56.55) v1(151.025,-53.2) ; v1(153.925,-68) 154.508,-67.417 v1(154.508,-56.82)
NetJ4_8: J4.8 U1.51 | length 106.9
  Top Layer w0.254: J4.8@119.515,-66.855 118.17,-66.855 117.3,-67.725 117.3,-73.05 119.75,-75.5 v1(119.75,-78.875) ; v1(154.925,-100.25) 154.925,-97.35 155.675,-96.6 v1(155.825,-96.6) ; U1.51@155.475,-83.15 156.818,-84.493 160.521,-84.493 160.547,-84.468 166.156,-84.468 166.727,-85.039 166.727,-87.625 157.55,-87.625 157.48,-87.695 v1(157.48,-87.757)
  Bottom Layer w0.254: v1(119.75,-78.875) 119.75,-95.475 125.025,-100.75 154.225,-100.75 154.725,-100.25 v1(154.925,-100.25) ; v1(155.825,-96.6) 155.825,-88.775 156.9,-87.7 156.957,-87.757 v1(157.48,-87.757)
NetJ4_10: J4.10 U1.60 | length 122.4
  Top Layer w0.254: v1(118.775,-78.85) 118.775,-75.575 116.775,-73.575 116.775,-67.35 118.54,-65.585 J4.10@119.515,-65.585 ; U1.60@155.475,-78.575 U1.60@155.5,-78.575 ; U1.60@155.475,-78.55 U1.60@155.5,-78.575 ; v1(156.6,-100.3) 156.6,-97 v1(157,-96.6) ; v1(167.875,-79.425) 166.725,-78.275 157.05,-78.275 156.75,-78.575 U1.60@155.5,-78.575 ; v1(170.225,-79.525) 170.225,-80.544 169.85,-80.919 169.85,-83.1 170.485,-83.735 v1(170.485,-84.201)
  Bottom Layer w0.254: v1(118.775,-78.85) 118.775,-95.675 124.275,-101.175 155.075,-101.175 155.95,-100.3 v1(156.6,-100.3) ; v1(157,-96.6) 166.45,-96.6 172.15,-90.9 172.15,-86.075 170.475,-84.4 170.485,-84.39 v1(170.485,-84.201) ; v1(167.875,-79.425) 167.975,-79.525 v1(170.225,-79.525)
NetP5_1: U1.30
NetP6_1: U1.61
NetP6_2: U1.77
NetP7_1: BPM_IN.7 P7.1 | length 4.5
  Top Layer w0.254: BPM_IN.7@157.004,-35.712 P7.1@161.464,-35.712
NetP7_2: BPM_IN.6 P7.2 | length 4.5
  Top Layer w0.254: BPM_IN.6@157.004,-38.252 P7.2@161.464,-38.252
NetP7_3: BPM_IN.5 P7.3 | length 4.5
  Top Layer w0.254: BPM_IN.5@157.004,-40.792 P7.3@161.464,-40.792
NetP9_U_Ribbon_Connectors2_14: Signals.14
NetP9_U_Ribbon_Connectors2_15: Signals.15
NetP9_U_Ribbon_Connectors2_16: Signals.16
"NetR2_AUX Encoders1_1": 
"NetR2_AUX Encoders2_1": 
"NetR2_AUX Encoders3_1": 
"NetR2_AUX Encoders4_1": 
"NetR2_AUX Encoders5_1": 
"NetR2_AUX Encoders6_1": 
"NetR2_AUX Encoders7_1": 
"NetR2_AUX Encoders8_1": 
"NetR2_NOTE Encoders1_1": 
"NetR2_NOTE Encoders2_1": 
"NetR2_NOTE Encoders3_1": 
"NetR2_NOTE Encoders4_1": 
"NetR2_NOTE Encoders5_1": 
"NetR2_NOTE Encoders6_1": 
"NetR2_NOTE Encoders7_1": 
"NetR2_NOTE Encoders8_1": 
"NetR2_NOTE Encoders9_1": 
"NetR2_NOTE Encoders10_1": 
"NetR2_NOTE Encoders11_1": 
"NetR2_NOTE Encoders12_1": 
"NetR2_NOTE Encoders13_1": 
"NetR2_NOTE Encoders14_1": 
"NetR2_NOTE Encoders15_1": 
"NetR2_NOTE Encoders16_1": 
"NetR3_AUX Encoders1_1": 
"NetR3_AUX Encoders2_1": 
"NetR3_AUX Encoders3_1": 
"NetR3_AUX Encoders4_1": 
"NetR3_AUX Encoders5_1": 
"NetR3_AUX Encoders6_1": 
"NetR3_AUX Encoders7_1": 
"NetR3_AUX Encoders8_1": 
"NetR3_NOTE Encoders1_1": 
"NetR3_NOTE Encoders2_1": 
"NetR3_NOTE Encoders3_1": 
"NetR3_NOTE Encoders4_1": 
"NetR3_NOTE Encoders5_1": 
"NetR3_NOTE Encoders6_1": 
"NetR3_NOTE Encoders7_1": 
"NetR3_NOTE Encoders8_1": 
"NetR3_NOTE Encoders9_1": 
"NetR3_NOTE Encoders10_1": 
"NetR3_NOTE Encoders11_1": 
"NetR3_NOTE Encoders12_1": 
"NetR3_NOTE Encoders13_1": 
"NetR3_NOTE Encoders14_1": 
"NetR3_NOTE Encoders15_1": 
"NetR3_NOTE Encoders16_1": 
"NetR13_CV Control1_1": "OP_CV Ctrl1.2" R13.1@242.95,-94.26 R14.1@248.55,-91.975 R15.2@248.625,-87.725 | length 16.1
  Top Layer w0.254: R13.1@242.95,-94.26 244.79,-94.26 245.7,-93.35 245.7,-92.575 246.25,-92.025 R14.1@248.5,-92.025 ; R14.1@248.55,-91.975 248.625,-91.9 R15.2@248.625,-87.725 249.925,-87.725 251.375,-89.175 252.925,-89.175 252.93,-89.17
"NetR13_CV Control2_1": "OP_CV Ctrl2.2" R13.1@242.45,-56.79 R14.1@247.8,-61.825 R15.2@247.8,-59.3 | length 13.8
  Top Layer w0.254: R13.1@242.45,-56.79 242.74,-56.79 245.3,-59.35 R15.2@247.75,-59.35 ; R14.1@247.8,-61.825 R15.2@247.8,-59.3 247.805,-59.295 252.755,-59.295
"NetR16_CV Control1_1": "OP_CV Ctrl1.6" R16.1@269.525,-85.765 R17.2@264.575,-87 R18.1@264.45,-91.975 | length 14.2
  Top Layer w0.254: 260.69,-91.85 264.575,-91.85 R17.2@264.575,-87 266.95,-87 268.185,-85.765 R16.1@269.525,-85.765
"NetR16_CV Control2_1": "OP_CV Ctrl2.6" R16.1@269.75,-57.34 R17.2@264.325,-57.775 R18.1@264.325,-62.75 | length 16.2
  Top Layer w0.254: 260.375,-61.835 261.815,-61.835 ; R18.1@264.325,-62.75 264.325,-61.895 264.265,-61.835 261.815,-61.835 ; R16.1@269.75,-57.34 267.21,-57.34 266.775,-57.775 R17.2@264.325,-57.775 263.3,-57.775 263.25,-57.725 262.575,-58.4 262.575,-61.075 261.815,-61.835
"NetR19_Gate Control1_1": "Gate Ctrl1.2" R19.1@205.125,-61.448 R20.2@201.975,-61.448 | length 10.7
  Top Layer w0.254: R20.2@201.975,-61.448 R19.1@205.125,-61.448 210.24,-56.333 210.555,-56.333
"NetR19_Gate Control2_1": "Gate Ctrl2.2" R19.1@204.154,-79.075 R20.2@200.904,-79.125 | length 11.3
  Top Layer w0.254: R20.2@200.904,-79.125 R19.1@204.104,-79.125 ; R19.1@204.154,-79.075 204.894,-79.075 210.084,-73.885
"NetR21_Gate Control1_2": "Gate Ctrl1.6" R21.2@226.7,-61.548 R22.1@223.4,-61.448 | length 9.5
  Top Layer w0.254: 218.175,-58.873 220.11,-58.873 222.685,-61.448 R22.1@223.4,-61.448 R21.2@226.6,-61.448
"NetR21_Gate Control2_2": "Gate Ctrl2.6" R21.2@227.754,-79.025 R22.1@223.704,-79.025 | length 11.1
  Top Layer w0.254: 217.704,-76.425 221.104,-76.425 R22.1@223.704,-79.025 R21.2@227.754,-79.025
NetR26_1: "CLK_OUT / LED.7" R26.1 R29.1 | length 12
  Top Layer w0.254: 218.125,-90.083 223.195,-90.083 R29.1@225.725,-87.553 R26.1@229.1,-87.553
NetR27_1: "CLK_OUT / LED.2" R27.1 R28.2 | length 13.7
  Top Layer w0.254: R27.1@201.275,-87.678 R28.2@205.125,-87.678 205.125,-90.8 206.45,-92.125 208.463,-92.125 210.505,-90.083
NetR29_2: "CLK_OUT / LED.6" R29.2 R30.2 | length 8.7
  Top Layer w0.254: 218.125,-92.623 219.825,-92.623 R30.2@222.375,-95.173 R29.2@225.725,-95.173
NetR32_1: Rfbb.1 Rfbt.2 U1_1.4 | length 8.1
  Top Layer w0.254: U1_1.4@50.86,-84.077 51.826,-84.077 53.273,-85.525 ; Rfbt.2@53.477,-88.725 53.477,-87.532 ; Rfbt.2@53.502,-88.7 53.502,-88.116 53.502,-85.754 53.273,-85.525 ; Rfbb.1@53.883,-85.525 53.273,-85.525
NetU1_42: U1.42
NOTE_LEN: Signals.7 U1.18 | length 98.3
  Top Layer w0.254: v1(125.45,-91) 125.45,-93.45 125.828,-93.828 148.978,-93.828 149.053,-93.753 149.547,-93.753 149.622,-93.828 151.853,-93.828 151.878,-93.803 152.372,-93.803 152.397,-93.828 167.797,-93.828 170.55,-91.075 170.55,-87.35 180.43,-77.47 Signals.7@181.6,-77.47 ; U1.18@140.375,-79.55 141.7,-79.55 141.7,-79.95 142.2,-80.45 v1(142.2,-80.85)
  Bottom Layer w0.254: v1(125.45,-91) 125.45,-80.625 126.005,-80.07 132.399,-80.07 132.458,-80.129 136.095,-80.129 136.252,-79.972 136.747,-79.972 137.097,-80.322 137.097,-80.368 137.103,-80.375 137.103,-80.438 137.365,-80.7 v1@142.05,-80.7
PLAY/PAUSE_LED: "CLK_OUT / LED.5" U1.14 | length 132
  Top Layer w0.254: v1(131.15,-78.6) 132.444,-78.6 132.894,-79.05 133.725,-79.05 134.225,-78.55 134.225,-77.775 134.492,-77.508 135.121,-77.508 135.186,-77.573 140.375,-77.573 U1.14@140.375,-77.575 ; v1(155.175,-95.075) 194.225,-95.075 v1(196.475,-92.825)
  Bottom Layer w0.254: v1(131.15,-78.6) 130.925,-78.6 130.875,-78.55 130.175,-79.25 126.125,-79.25 124,-81.375 124,-95.225 125.531,-96.756 154.419,-96.756 155.175,-96 v1(155.175,-95.075) ; v1(196.475,-92.825) 200.525,-96.875 216.413,-96.875 218.125,-95.163
PP_BTN: R25.1 Signals.12 U1.67 | length 53
  Top Layer w0.254: v1(152.375,-82.825) 152.225,-82.675 152.225,-75.6 152.746,-75.079 155.471,-75.079 U1.67@155.475,-75.075 ; v1(176.675,-83.3) 178.675,-83.3 179.25,-83.875 182.815,-83.875 Signals.12@184.14,-82.55 190.91,-82.55 R25.1@192.6,-80.86
  Bottom Layer w0.254: v1(152.375,-82.825) 152.877,-83.327 158.379,-83.327 158.431,-83.275 164.115,-83.275 164.116,-83.274 164.146,-83.274 ; 164.146,-83.273 169.907,-83.273 170.233,-83.599 171.397,-83.599 171.723,-83.273 176.648,-83.273 v1(176.675,-83.3)
PP_LED: R26.2 Signals.13 | length 53.8
  Bottom Layer w0.254: Signals.13@181.6,-85.09 182.8,-86.29 187.39,-86.29 198.825,-97.725 226.548,-97.725 R26.2@229.1,-95.173
RED1: 
RED2: 
RED3: 
RED4: 
RED5: 
RED6: 
RED7: 
RED8: 
RED9: 
RED10: 
RED11: 
RED12: 
RED13: 
RED14: 
RED15: 
RED16: 
SCKO1: 
SCKO2: 
SCKO3: 
SCL: Signals.4 U1.55 | length 36.6
  Top Layer w0.254: v1(153.645,-81.661) 153.739,-81.661 154.325,-81.075 155.45,-81.075 U1.55@155.475,-81.05 ; v1(170.975,-80.925) 174.103,-80.925 174.128,-80.95 181.175,-73.903 182.627,-73.903 Signals.4@184.14,-72.39
  Bottom Layer w0.254: v1(153.645,-81.661) 153.645,-81.33 153.875,-81.1 170.8,-81.1 v1(170.975,-80.925)
SDA: Signals.3 U1.66 | length 27.5
  Top Layer w0.254: U1.66@155.475,-75.575 156.9,-75.575 156.971,-75.646 v1@166.471,-75.646 ; v1(168.675,-75.675) 168.725,-75.625 v1(173.075,-75.625)
  Bottom Layer w0.254: v1(166.5,-75.675) v1(168.675,-75.675) ; v1(173.075,-75.625) 173.15,-75.625 176.385,-72.39 Signals.3@181.6,-72.39
SDA_DISP0: 
SDA_DISP1: 
SDA_DISP2: 
SDA_DISP3: 
SDA_DISP4: 
SDA_DISP5: 
SDA_DISP6: 
SDA_DISP7: 
SDTO1: 
SDTO2: 
SDTO3: 
SPCK: "DAC_CV Ctrl1.2" "DAC_CV Ctrl2.2" Signals.6 U1.31 | length 151.9
  Top Layer w0.254: v1@144.4,-95.698 144.4,-99.125 v1(144.575,-99.3) ; v1@144.425,-86.2 U1.31@144.425,-84.625 ; v1(172.925,-90.45) 172.925,-85.594 179.536,-78.983 182.067,-78.983 182.709,-78.341 182.709,-75.916 Signals.6@183.695,-74.93 ; v1(187.05,-52.4) 187.05,-69.175 v1(187.9,-70.025) ; Signals.6@183.695,-74.93 Signals.6@184.14,-74.93 Signals.6@183.695,-74.93
  Bottom Layer w0.254: v1(144.4,-95.725) 144.4,-86.275 v1(144.475,-86.2) ; v1(144.575,-99.3) 168.85,-99.3 172.925,-95.225 v1(172.925,-90.45) ; Signals.6@184.14,-74.93 187.17,-74.93 189.075,-73.025 189.075,-72.4 187.9,-71.225 v1(187.9,-70.025) ; v1(187.05,-52.4) 187.05,-40.725 197.505,-30.27 197.505,-29.72 198.2,-29.025 198.95,-29.025 199.55,-28.425 205.8,-28.425 207.445,-30.07 222.055,-30.07
SW1: 
SW2: 
SW3: 
SW4: 
SW5: 
SW6: 
SW7: 
SW8: 
SW9: 
SW10: 
SW11: 
SW12: 
SW13: 
SW14: 
SW15: 
SW16: 
"VOUT_A_CV Control1": "DAC_CV Ctrl1.8" "OP_CV Ctrl1.3" | length 126
  Top Layer w0.254: 205.125,-27.18 208.205,-27.18 209.265,-28.24 212.14,-28.24 212.625,-28.725 212.625,-38.175 v1(206.58,-44.22)
  Bottom Layer w0.254: v1(206.58,-44.22) 208.4,-46.04 208.4,-81.375 209.8,-82.775 230.625,-82.775 233.425,-85.575 233.425,-97.325 250.075,-97.325 250.825,-96.575 250.825,-93.815 252.93,-91.71
"VOUT_A_CV Control2": "DAC_CV Ctrl2.8" "OP_CV Ctrl2.3" | length 57.7
  Top Layer w0.254: v1(234.025,-42.2) v1(234.025,-39.875)
  Bottom Layer w0.254: 229.675,-27.53 231.43,-27.53 234.025,-30.125 v1(234.025,-39.875) ; v1(234.025,-42.2) 234.025,-57.475 235.425,-58.875 237.6,-58.875 241.5,-54.975 247.825,-54.975 250.275,-57.425 250.275,-59.355 252.755,-61.835
"VOUT_B_CV Control1": "DAC_CV Ctrl1.5" "OP_CV Ctrl1.5" | length 118.5
  Top Layer w0.254: v1(260.55,-97.475) 260.55,-94.25
  Bottom Layer w0.254: 205.125,-34.8 205.125,-48.175 207.725,-50.775 207.725,-81.975 209.075,-83.325 230.6,-83.325 232.75,-85.475 232.75,-97.575 233.525,-98.35 259.675,-98.35 v1(260.55,-97.475)
"VOUT_B_CV Control2": "DAC_CV Ctrl2.5" "OP_CV Ctrl2.5" | length 59.1
  Top Layer w0.254: 229.675,-35.15 255.575,-35.15 257.575,-37.15 v1(257.575,-42.2) ; v1(257.275,-64.25) 257.575,-63.95 v1(257.575,-44.925)
  Bottom Layer w0.254: v1(257.275,-64.25) 260.25,-64.25 260.375,-64.375 ; v1(257.575,-44.925) v1(257.575,-42.2)
pads on no net: BPM_IN.2@313.475,-19.42 CLK_OUT.2 CV1.2 CV2.2 CV3.2 CV4.2 GATE1.2 GATE2.2 GATE3.2 GATE4.2 J4.7 P9.1 P9.2 P9.3 P9.4 XC1.2 XC1.4

## Polygon pours and split planes (outlines as drawn)
GND on Top Layer "GND" (solid, shelved, pour order 118): 0,0 0,-113.284 319.884,-113.284 320,-113.4 320,0
12V on Top Layer "12V" (solid, shelved, pour order 102): 185.1,-41.075 185.1,-39.325 180.025,-39.325 180.025,-46.625 180.05,-46.6 182.375,-46.6 182.375,-44.35 182.425,-44.3 185.15,-44.3
5V on Top Layer "5V" (solid, shelved, pour order 92): 247.775,-20.47 247.8,-20.495 247.8,-32.375 236.175,-32.375 236.15,-32.35 236.15,-20.175
12V on Top Layer "12V" (solid, shelved, pour order 90): 22.875,-84.125 22.875,-94.25 22.825,-94.3 24.425,-94.3 24.425,-86.625 23.784,-85.984 23.925,-85.843 23.925,-84.075 22.975,-84.075
12V on Top Layer "12V" (solid, shelved, pour order 88): 19.75,-68 19.75,-94.3 22.825,-94.3 23.158,-93.967 23.158,-68.073
12V on Top Layer "12V" (solid, shelved, pour order 82): 12.275,-65.8 12.275,-68.075 23.275,-68.075 21,-65.8
3.3V on Top Layer "3.3V" (solid, shelved, pour order 78): 111.425,-51.55 111.425,-56.825 117.525,-56.825 117.525,-51.55
3.3V on Top Layer "3.3V" (solid, shelved, pour order 76): 82.55,-51.55 82.525,-51.575 82.525,-56.825 53.725,-56.825 52.375,-55.475 54.075,-53.775 54.075,-51.65 54.125,-51.6 82.525,-51.6
5V on Top Layer "5V" (solid, shelved, pour order 72): 12.3,-41.575 12.3,-65.475 18.9,-65.5 18.925,-65.475 18.9,-44.675 24.675,-40.625 13.61,-40.525 13.71,-40.625 13.71,-40.525
-12V on Top Layer "-12V" (solid, shelved, pour order 70): 12.7,-105.925 12.7,-106.652 16.123,-110.075 17.498,-108.7 21.275,-108.7 21.25,-108.7 16.075,-103.525
-12V on Top Layer "-12V" (solid, shelved, pour order 68): 12.7,-75.875 18.525,-75.875 18.525,-110.1 17.3,-110.1 16.875,-110.1 15.596,-109.433 18.525,-108.733 12.7,-105.925
3.3V on Top Layer "3.3V" (solid, shelved, pour order 60): 55.788,-69.142 42.072,-69.142 42.072,-62.538 23.784,-62.538 23.784,-45.774 55.788,-45.774
NetC27_1 on Top Layer "Top Layer-No Net" (solid, shelved, pour order 58): 55.788,-69.65 42.072,-69.65 42.072,-78.794 55.788,-78.794
12V on Top Layer "12V" (solid, shelved, pour order 56): 23.784,-83.874 49.438,-83.874 49.438,-100.13 23.784,-100.13
GND on Top Layer "Top Layer-No Net" (solid, shelved, pour order 52): 23.784,-83.62 45.374,-83.62 45.374,-82.35 49.438,-82.35 49.438,-79.048 41.818,-79.048 41.818,-62.792 23.784,-62.792
12V on Top Layer "12V" (solid, shelved, pour order 50): 103.501,-102.575 63.801,-102.575 49.451,-102.575 49.451,-100.95 49.451,-99.75 48,-99.75 46.35,-99.75 43.225,-99.75 23.725,-99.75 23.725,-105 63.801,-105 103.501,-105 286.751,-105 286.751,-102.9 286.426,-102.575
-12V on Top Layer "-12V" (solid, shelved, pour order 46): 16.123,-108.5 16.123,-110.075 48.027,-110.125 47.05,-110.075 286.725,-110.075 286.725,-108.5
3.3V on Top Layer "3.3V" (solid, shelved, pour order 30): 117.363,-53.863 117.363,-55.825 168.675,-55.825 168.85,-55.65 168.85,-53.7 135.575,-53.7
3.3V on Top Layer "3.3V" (solid, shelved, pour order 32): 168.8,-54.05 168.8,-41.675 168.8,-29.225 172.275,-29.225 172.175,-29.125 164.775,-29.125 164.775,-55.35 164.425,-55.7
5V on Top Layer "5V" (solid, shelved, pour order 38): 12,-37.775 122.125,-37.775 122.125,-41.312 122.257,-41.443 122.125,-41.575 12.3,-41.575 17.85,-37.775
5V on Top Layer "5V" (solid, shelved, pour order 40): 122.1,-39.85 122.024,-18.176 122.1,-18.1 121.95,-17.95 117.7,-17.95 117.7,-39.85
5V on Top Layer "5V" (solid, shelved, pour order 42): 117.7,-17.95 247.775,-17.95 245.675,-17.95 247.775,-20.5 247.7,-20.575 247.625,-20.5 120.925,-20.5
GND on Bottom Layer "GND" (solid, shelved, pour order 116): 0,0 0,-113.273 0.127,-113.4 320,-113.4 320,0
GND on Bottom Layer "GND" (solid, shelved, pour order 104): 180.025,-52.45 185.2,-52.45 185.15,-52.5 185.15,-59.525 180.075,-59.525 180.05,-59.5
3.3V on Bottom Layer "3.3V" (solid, shelved, pour order 100): 180.1,-46.925 182.57,-46.925 182.57,-44.78 182.6,-44.75 182.6,-44.55 185.15,-44.55 185.2,-44.5 185.1,-44.6 185.1,-51.05 185,-51.05 184.15,-51.9 180.1,-51.9
GND on Bottom Layer "GND" (solid, shelved, pour order 96): 70.775,-63.75 70.775,-72.625 70.85,-72.7 112.775,-72.7 112.775,-63.875 112.825,-63.825
GND on Bottom Layer "GND" (solid, shelved, pour order 94): 63.6,-102.85 63.6,-108.325 63.675,-108.4 63.75,-108.325 208.575,-108.325 208.575,-102.6 208.4,-102.775 207.9,-102.775 63.525,-102.775
GND on Bottom Layer "GND_L02_P084" (solid, shelved, pour order 84): 12.25,-68.325 12.175,-75.65 12.25,-75.4 28.6,-75.4 28.6,-68.175 28.75,-68.325 20.525,-68.325
NetC27_1 on Bottom Layer "Top Layer-No Net" (solid, shelved, pour order 64): 45.628,-77.143 48.168,-77.143 48.168,-84.128 45.628,-84.128
GND on Bottom Layer "Top Layer-No Net" (solid, shelved, pour order 62): 45.374,-76.889 72.552,-76.889 72.552,-45.774 23.784,-45.774 23.784,-104.702 72.552,-104.702 72.552,-77.143 48.422,-77.143 48.422,-84.382 45.374,-84.382

## Keep-outs
Keep-Out Layer:
  the board outline again, w0.254

## Other copper
Top Layer:
  region net 3.3V: 111.425,-51.375 111.425,-56.825 117.7,-56.825 117.75,-56.775 117.725,-56.75 117.725,-51.4 117.75,-51.375
  region net 3.3V: 78.075,-51.6 78.075,-56.8 83.15,-56.8 83.15,-51.625
Bottom Layer:
  region net 3.3V: 78.225,-51.6 78.225,-56.825 117.625,-56.825 117.725,-56.725 117.725,-51.4

## Silkscreen, mask and mechanical layers (free items; w line width, h text height)
Top Overlay:
  text "Cinx" at 42.58,-88.192 h1.02

## Text inside footprints (layer, text, board x,y; h text height)
"Aux Encoders": Top Overlay "2" at 179.76,-7.768 h1.27; Top Overlay "1" at 179.76,-10.308 h1.27; Top Overlay "15" at 201.604,-10.308 h1.27; Top Overlay "16" at 201.604,-7.768 h1.27
BPM_IN: Top Overlay "*" at 149.384,-31.648 h1.27; Mechanical 13 "*" at 150.019,-33.172 h1.27
"CLK_OUT / LED": Top Overlay "*" at 210.505,-86.019 h1.27; Mechanical 13 "*" at 211.14,-87.543 h1.27
"DAC_CV Ctrl1": Top Overlay "*" at 197.505,-25.656 h1.27; Mechanical 13 "*" at 198.14,-27.18 h1.27
"DAC_CV Ctrl2": Top Overlay "*" at 222.055,-26.006 h1.27; Mechanical 13 "*" at 222.69,-27.53 h1.27
"Gate Ctrl1": Top Overlay "*" at 210.555,-52.269 h1.27; Mechanical 13 "*" at 211.19,-53.793 h1.27
"Gate Ctrl2": Top Overlay "*" at 210.084,-69.821 h1.27; Mechanical 13 "*" at 210.719,-71.345 h1.27
"Note Encoders 1": Top Overlay "2" at 81.835,-9.593 h1.27; Top Overlay "1" at 81.835,-12.133 h1.27; Top Overlay "15" at 103.679,-12.133 h1.27; Top Overlay "16" at 103.679,-9.593 h1.27
"Note Encoders 2": Top Overlay "2" at 147.06,-8.293 h1.27; Top Overlay "1" at 147.06,-10.833 h1.27; Top Overlay "15" at 168.904,-10.833 h1.27; Top Overlay "16" at 168.904,-8.293 h1.27
"OP_CV Ctrl1": Top Overlay "*" at 252.93,-85.106 h1.27; Mechanical 13 "*" at 253.565,-86.63 h1.27
"OP_CV Ctrl2": Top Overlay "*" at 252.755,-55.231 h1.27; Mechanical 13 "*" at 253.39,-56.755 h1.27
P9: Top Overlay "16" at 16.357,-78.554 h1.27 r270; Top Overlay "15" at 13.817,-78.554 h1.27 r270; Top Overlay "1" at 13.817,-56.71 h1.27 r270; Top Overlay "2" at 16.357,-56.71 h1.27 r270
Power: Top Overlay "2" at 183.382,-37.985 h1.27 r270; Top Overlay "1" at 180.842,-37.985 h1.27 r270; Top Overlay "15" at 180.842,-59.829 h1.27 r270; Top Overlay "16" at 183.382,-59.829 h1.27 r270
Signals: Top Overlay "2" at 183.632,-67.31 h1.27 r270; Top Overlay "1" at 181.092,-67.31 h1.27 r270; Top Overlay "15" at 181.092,-89.154 h1.27 r270; Top Overlay "16" at 183.632,-89.154 h1.27 r270